# Altium PCB UmTRXv2.PcbDoc (part 5 of 25) (continued)
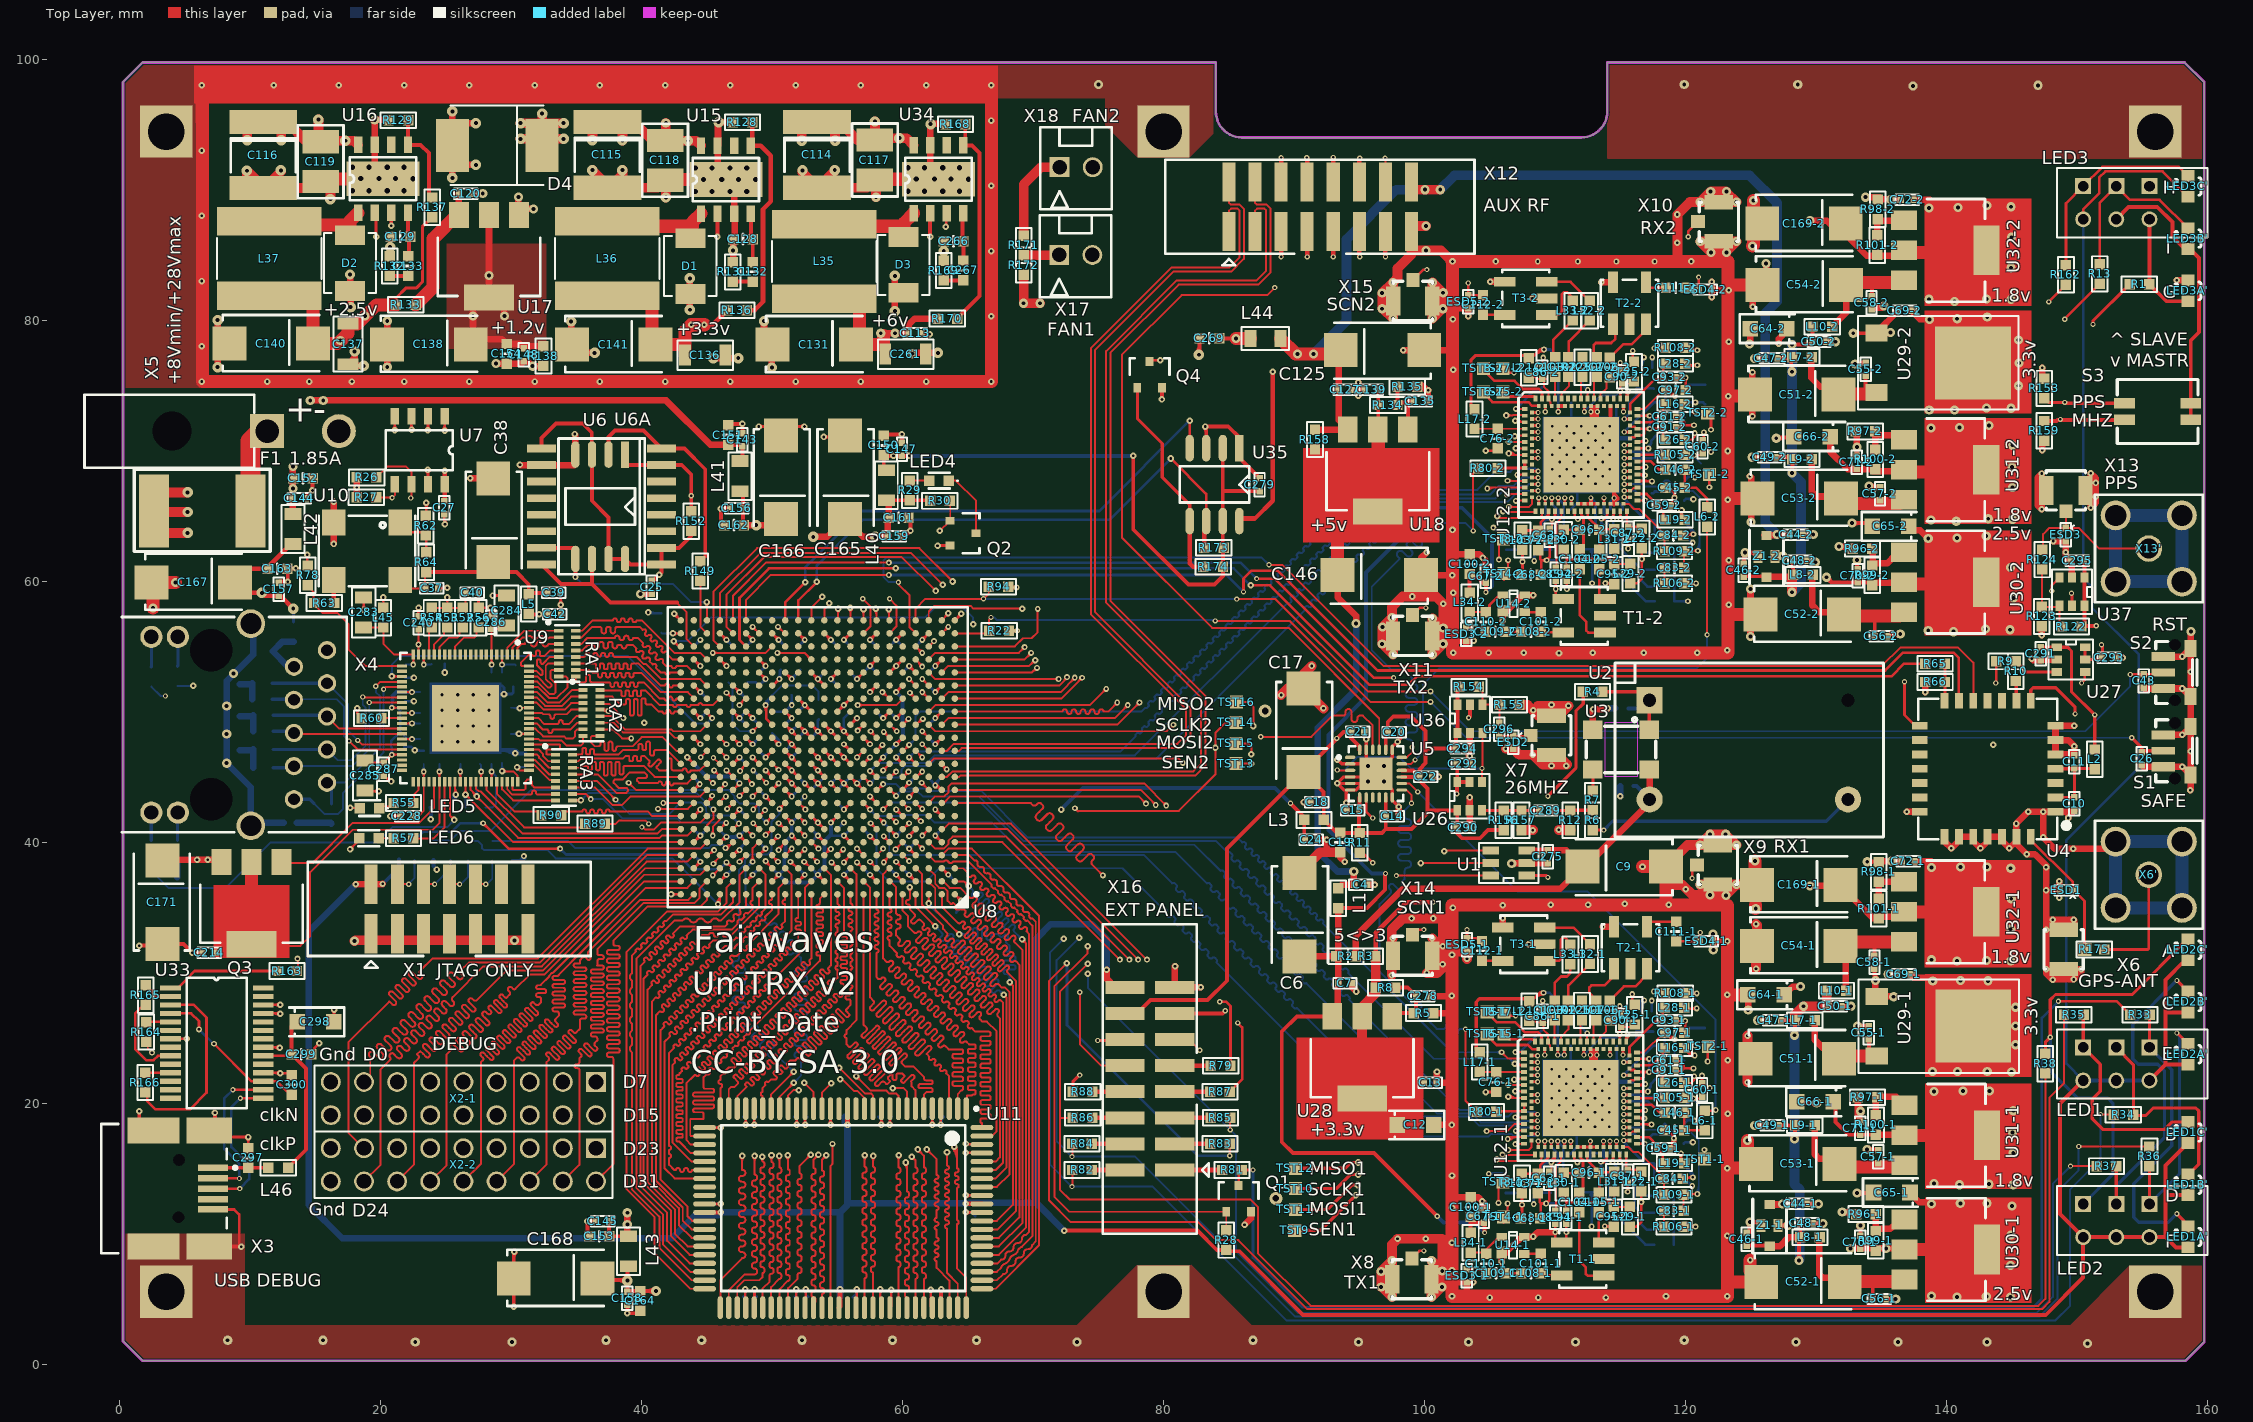
[diagram p0: Top Layer view]
## Nets (pads, with @x,y where several pads share a name; then routed paths per layer and width w, separated by ;. In a path a pad name is that pad's centre, name@x,y a point inside that pad or via, vN(x,y) a via of type N, cw(c..) or ccw(c..) an arc to the next point about the centre after c; other vN are vias at no path point) (continued)
  Top Layer w0.25: L17-1.1@104.225,23.9 103.95,24.175 103.95,27.75 104.2,28 107.825,28 L21-1.2@108.025,27.8 L21-1.2@108.125,27.8
  Top Layer w0.3: U29-1.2@140.7,26.95 U29-1.2@141.75,25.9
  Top Layer w0.5: C64-1.1@127.575,28.3 128.2,28.925 v3(128.8,28.925) ; C69-1.1@137.225,29.875 137.475,29.625 138.475,29.625
  Top Layer w1: U29-1.2@144.762,25.913 144.951,25.725
  Mid-Layer 2 w0.5: v1(120.566,16.988) 119.85,17.704 119.85,21.247 v2(120.661,22.058) 120.636,22.083 120.373,22.083 119.8,22.656 119.8,25 120.861,26.061 v2(120.861,27.258)
  Bottom Layer w0.15: L13-1.1@119.907,20.988 R95-1.2@119.907,22.088 120.731,22.088 v2@120.761,22.058 ; R95-1.2@120.227,22.088 cw(c120.227,21.624) v2@120.555,21.952 ; R95-1.2@120.227,22.088 cw(c120.227,21.624) v2@120.555,21.952 ; R95-1.2@120.227,22.088 cw(c120.227,21.624) v2@120.555,21.952 ; 120.371,22.088 ccw(c120.371,22.348) v2@120.555,22.164 ; 120.371,22.088 ccw(c120.371,22.348) v2@120.555,22.164 ; 120.371,22.088 ccw(c120.371,22.348) v2@120.555,22.164
  Bottom Layer w0.2: v2(109.111,28.458) 109.587,28.458 L23-1.2@110.207,27.838 ; L12-1.1@111.811,13.158 L27-1.2@112.911,13.158 L27-1.2@112.802,13.049 ; L27-1.2@112.711,12.958 L27-1.2@112.802,13.049 ; v2(112.802,10.545) L27-1.2@112.802,13.049 ; L24-1.1@119.857,16.888 119.978,17.01 120.545,17.01 v1(120.566,16.988) ; v2@109.199,28.37 cw(c109.413,28.156) 109.413,28.458 ; v2@109.199,28.37 cw(c109.413,28.156) 109.413,28.458 ; v2@109.199,28.37 cw(c109.413,28.156) 109.413,28.458 ; v2@109.199,28.547 ccw(c109.413,28.76) 109.413,28.458 ; v2@109.199,28.547 ccw(c109.413,28.76) 109.413,28.458 ; v2@109.199,28.547 ccw(c109.413,28.76) 109.413,28.458 ; v2@112.714,10.633 ccw(c112.501,10.847) 112.802,10.847 ; v2@112.714,10.633 ccw(c112.501,10.847) 112.802,10.847 ; v2@112.714,10.633 ccw(c112.501,10.847) 112.802,10.847 ; 112.802,10.847 ccw(c113.104,10.847) v2@112.891,10.633 ; 112.802,10.847 ccw(c113.104,10.847) v2@112.891,10.633 ; 112.802,10.847 ccw(c113.104,10.847) v2@112.891,10.633 ; L24-1.1@120.152,17.01 cw(c120.152,16.574) v1@120.46,16.882 ; L24-1.1@120.152,17.01 cw(c120.152,16.574) v1@120.46,16.882 ; L24-1.1@120.152,17.01 cw(c120.152,16.574) v1@120.46,16.882 ; L24-1.1@120.256,17.01 ccw(c120.256,17.298) v1@120.46,17.094 ; L24-1.1@120.256,17.01 ccw(c120.256,17.298) v1@120.46,17.094 ; L24-1.1@120.256,17.01 ccw(c120.256,17.298) v1@120.46,17.094
  other v3: 144.98,22.39 138.921,22.414 140.848,22.411 143.117,22.411 145.275,24.475 145.275,25.9 145.275,27.35 138.943,29.354 143.169,29.374 141.067,29.395
+3,3VLMS-2: C64-2.1 C69-2.1 L12-2.1 L13-2.1 L17-2.1 L21-2.2 L22-2.1 L23-2.2 L24-2.1 L25-2.2 L26-2.1 L27-2.2 L28-2.1 L29-2.2 R95-2.2 U29-2.2 | length 56.7
  Top Layer w0.15: L26-2.1@119.946,70.88 119.976,70.85 120.5,70.85 120.7,71.05 ; v2@120.8,71.35 120.7,71.25 120.7,71.05 ; v2@120.61,71.23 cw(c120.475,71.05) 120.7,71.05 ; v2@120.61,71.23 cw(c120.475,71.05) 120.7,71.05 ; v2@120.61,71.23 cw(c120.475,71.05) 120.7,71.05 ; 120.7,71.05 cw(c120.925,71.05) v2@120.79,71.23 ; 120.7,71.05 cw(c120.925,71.05) v2@120.79,71.23 ; 120.7,71.05 cw(c120.925,71.05) v2@120.79,71.23
  Top Layer w0.2: L21-2.2@108.2,77.1 108.85,77.75 ; 108.78,77.551 cw(c109.011,77.32) v2@109.112,77.631 ; v2(109.15,77.75) 108.85,77.75 ; L29-2.2@115.646,59.83 116.28,59.83 116.646,60.196 v2@116.646,61.704 ; L25-2.2@115.946,76.78 115.946,77.646 v2(115.95,77.65) ; L22-2.1@116.646,62.53 v2@116.646,61.704 ; v2(116.65,61.7) v2@116.646,61.704 ; L28-2.1@119.946,76.53 120.88,76.53 v2(120.9,76.55) ; U29-2.2@140.735,77.7 U29-2.2@141.7,76.735 ; 108.424,77.324 cw(c109.15,76.599) v2@109.15,77.625 ; 108.424,77.324 cw(c109.15,76.599) v2@109.15,77.625 ; 108.424,77.324 cw(c109.15,76.599) v2@109.15,77.625 ; 108.608,77.48 ccw(c108.423,78.17) v2@109.042,77.812 ; 108.608,77.48 ccw(c108.423,78.17) v2@109.042,77.812 ; 108.608,77.48 ccw(c108.423,78.17) v2@109.042,77.812 ; 108.766,77.666 cw(c109.15,77.282) v2@109.15,77.825 ; 108.766,77.666 cw(c109.15,77.282) v2@109.15,77.825 ; 108.766,77.666 cw(c109.15,77.282) v2@109.15,77.825 ; 108.85,77.75 cw(c108.85,77.453) v2@109.061,77.662 ; 108.85,77.75 ccw(c108.85,78.047) v2@109.061,77.838 ; 108.85,77.75 ccw(c108.85,78.047) v2@109.061,77.838 ; 108.85,77.75 cw(c108.85,77.453) v2@109.061,77.662 ; 108.85,77.75 ccw(c108.85,78.047) v2@109.061,77.838 ; 108.85,77.75 cw(c108.85,77.453) v2@109.061,77.662 ; v2@115.862,77.562 cw(c115.658,77.358) 115.946,77.358 ; v2@115.862,77.562 cw(c115.658,77.358) 115.946,77.358 ; v2@115.862,77.562 cw(c115.658,77.358) 115.946,77.358 ; 115.946,77.338 cw(c116.262,77.338) v2@116.038,77.562 ; 115.946,77.338 cw(c116.262,77.338) v2@116.038,77.562 ; 115.946,77.338 cw(c116.262,77.338) v2@116.038,77.562 ; v2@116.562,61.612 cw(c116.358,61.408) 116.646,61.408 ; v2@116.562,61.612 cw(c116.358,61.408) 116.646,61.408 ; v2@116.562,61.612 cw(c116.358,61.408) 116.646,61.408 ; v2@116.562,61.788 ccw(c116.358,61.992) 116.646,61.992 ; v2@116.562,61.788 ccw(c116.358,61.992) 116.646,61.992 ; v2@116.562,61.788 ccw(c116.358,61.992) 116.646,61.992 ; 116.646,61.388 cw(c116.962,61.388) v2@116.738,61.612 ; 116.646,61.388 cw(c116.962,61.388) v2@116.738,61.612 ; 116.646,61.388 cw(c116.962,61.388) v2@116.738,61.612 ; 116.646,62.012 ccw(c116.962,62.012) v2@116.738,61.788 ; 116.646,62.012 ccw(c116.962,62.012) v2@116.738,61.788 ; 116.646,62.012 ccw(c116.962,62.012) v2@116.738,61.788 ; 120.55,76.53 ccw(c120.55,76.9) v2@120.812,76.638 ; 120.55,76.53 ccw(c120.55,76.9) v2@120.812,76.638 ; 120.55,76.53 ccw(c120.55,76.9) v2@120.812,76.638 ; 120.647,76.53 cw(c120.647,76.297) v2@120.812,76.462 ; 120.647,76.53 cw(c120.647,76.297) v2@120.812,76.462 ; 120.647,76.53 cw(c120.647,76.297) v2@120.812,76.462
  Top Layer w0.25: L17-2.1@103.825,73.175 103.55,73.45 103.55,76.925 103.925,77.3 107.775,77.3 L21-2.2@107.975,77.1
  Top Layer w0.5: v1(127.15,78.2) 127.15,78.575 127.75,79.175 C64-2.1@127.75,79.35 ; C69-2.1@137.3,80.725 137.958,80.067 v3(138.693,80.067)
  Top Layer w1: U29-2.2@143.04,76.776 144.712,76.776 U29-2.2@144.901,76.588
  Mid-Layer 2 w0.5: v1(120.605,66.28) 119.85,67.035 119.85,70.5 v2(120.7,71.35)
  Bottom Layer w0.15: L13-2.1@119.946,70.28 R95-2.2@119.946,71.38 120.77,71.38 v2@120.8,71.35 ; R95-2.2@120.266,71.38 cw(c120.266,70.916) v2@120.594,71.244 ; R95-2.2@120.266,71.38 cw(c120.266,70.916) v2@120.594,71.244 ; R95-2.2@120.266,71.38 cw(c120.266,70.916) v2@120.594,71.244 ; 120.41,71.38 ccw(c120.41,71.64) v2@120.594,71.456 ; 120.41,71.38 ccw(c120.41,71.64) v2@120.594,71.456 ; 120.41,71.38 ccw(c120.41,71.64) v2@120.594,71.456
  Bottom Layer w0.2: v2(109.15,77.75) 109.626,77.75 L23-2.2@110.246,77.13 ; L12-2.1@111.85,62.45 L27-2.2@112.95,62.45 L27-2.2@112.841,62.341 ; L27-2.2@112.75,62.25 L27-2.2@112.841,62.341 ; v2(112.841,59.837) L27-2.2@112.841,62.341 ; L24-2.1@119.896,66.18 120.017,66.301 120.584,66.301 v1(120.605,66.28) ; v2@109.238,77.662 cw(c109.452,77.448) 109.452,77.75 ; v2@109.238,77.662 cw(c109.452,77.448) 109.452,77.75 ; v2@109.238,77.662 cw(c109.452,77.448) 109.452,77.75 ; v2@109.238,77.838 ccw(c109.452,78.052) 109.452,77.75 ; v2@109.238,77.838 ccw(c109.452,78.052) 109.452,77.75 ; v2@109.238,77.838 ccw(c109.452,78.052) 109.452,77.75 ; v2@112.753,59.925 ccw(c112.539,60.139) 112.841,60.139 ; v2@112.753,59.925 ccw(c112.539,60.139) 112.841,60.139 ; v2@112.753,59.925 ccw(c112.539,60.139) 112.841,60.139 ; 112.841,60.139 ccw(c113.143,60.139) v2@112.93,59.925 ; 112.841,60.139 ccw(c113.143,60.139) v2@112.93,59.925 ; 112.841,60.139 ccw(c113.143,60.139) v2@112.93,59.925 ; L24-2.1@120.191,66.301 cw(c120.191,65.865) v1@120.499,66.174 ; L24-2.1@120.191,66.301 cw(c120.191,65.865) v1@120.499,66.174 ; L24-2.1@120.191,66.301 cw(c120.191,65.865) v1@120.499,66.174 ; L24-2.1@120.295,66.301 ccw(c120.295,66.59) v1@120.499,66.386 ; L24-2.1@120.295,66.301 ccw(c120.295,66.59) v1@120.499,66.386 ; L24-2.1@120.295,66.301 ccw(c120.295,66.59) v1@120.499,66.386
  other v3: 138.671,73.127 140.598,73.124 144.93,73.253 143.067,73.274 145.525,74.975 145.55,76.725 145.525,78.475 140.817,80.108 143.119,80.237
+5V: C6.1 C7.1 C67-1.2 C67-2.2 C100-1.2 C100-2.2 L1.2 L34-1.1 L34-2.1 R2.1 U28.3 | length 98.5
  Top Layer w0.3: U28.3@92.907,26.654 90.229,26.654 89.05,25.475 89.05,17.025 89.9,16.175 96.125,16.175 v4(100.975,11.325) ; L1.2@93.375,34.95 95.575,34.95 96.975,36.35 96.975,37.575 v4(97,37.6) ; L34-2.1@103.45,59.225 C100-2.2@103.45,60.55 103.725,60.275 104.075,60.275 104.475,59.875 C67-2.2@104.7,59.875 v4(104.7,59.15) ; L34-1.1@103.525,10.05 103.525,10.85 ; C100-1.2@103.525,11.275 103.525,10.85 ; v4(104.6,10.075) 104.6,10.775 C67-1.2@104.55,10.825 103.55,10.825 103.525,10.85
  Top Layer w0.5: C6.1@90.4,31.25 93.325,31.25 R2.1@93.375,31.2 ; U28.3@92.907,26.654 93.357,27.104 93.357,28.754 93.375,28.772 R2.1@93.375,31.2 ; L1.2@93.375,34.95 93.375,31.825 R2.1@93.375,31.2
  Bottom Layer w0.3: v4(97,37.6) 95.95,37.6 92.625,40.925 92.625,48.225 95.525,51.125 95.525,60.65 100.5,65.625 102.875,65.625 105.175,63.325 105.175,59.625 v4(104.7,59.15) ; v4(100.975,11.325) 101.45,10.85 103.825,10.85 v4(104.6,10.075)
+6V: C44-1.1 C44-2.1 C125.1 C127.1 L44.2 R158.1 U18.3 X12.16 Z1-1.1 Z1-2.1 | length 154.1
  Top Layer w0.3: v3(127.015,63.567) 127.931,63.567 C44-2.1@127.94,63.576 ; v3(127.415,12.272) 128.331,12.272 C44-1.1@128.34,12.281 ; v3@127.157,63.426 cw(c127.498,63.084) 127.498,63.567 ; v3@127.157,63.426 cw(c127.498,63.084) 127.498,63.567 ; v3@127.157,63.426 cw(c127.498,63.084) 127.498,63.567 ; v3@127.157,63.708 ccw(c127.498,64.05) 127.498,63.567 ; v3@127.157,63.708 ccw(c127.498,64.05) 127.498,63.567 ; v3@127.157,63.708 ccw(c127.498,64.05) 127.498,63.567 ; v3@127.557,12.13 cw(c127.898,11.789) 127.898,12.272 ; v3@127.557,12.13 cw(c127.898,11.789) 127.898,12.272 ; v3@127.557,12.13 cw(c127.898,11.789) 127.898,12.272 ; v3@127.557,12.413 ccw(c127.898,12.754) 127.898,12.272 ; v3@127.557,12.413 ccw(c127.898,12.754) 127.898,12.272 ; v3@127.557,12.413 ccw(c127.898,12.754) 127.898,12.272
  Top Layer w0.5: R158.1@91.6,71.6 94.1,71.6 U18.3@94.125,71.625 93.425,72.325 C127.1@93.425,74.675 93.425,77.425 93.425,77.55 C125.1@93.575,77.7 ; Z1-2.1@126.04,63.526 126.975,63.526 v3(127.015,63.567) ; Z1-1.1@126.44,12.231 127.375,12.231 v3(127.415,12.272)
  Top Layer w0.75: X12.16@99,90 v3(100.025,90) v3(101.2,90)
  Top Layer w1: L44.2@88.95,78.6 90.125,77.425 93.425,77.425 C125.1@93.55,77.425
  MidLayer1 w0.75: v3(127.015,63.567) 126.25,62.802 126.25,59.225 127.05,58.425 127.05,12.979 ; v3(127.415,12.272) 127.05,12.637 ; 127.05,12.637 ccw(c127.441,12.637) v3@127.414,12.247 ; 127.05,12.637 ccw(c127.441,12.637) v3@127.414,12.247 ; 127.05,12.637 ccw(c127.441,12.637) v3@127.414,12.247 ; 127.05,13.093 ccw(c128.237,13.093) v3@127.398,12.254 ; 127.05,13.093 ccw(c128.237,13.093) v3@127.398,12.254 ; 127.05,13.093 ccw(c128.237,13.093) v3@127.398,12.254
  Bottom Layer w0.75: v3(90.25,77.4) v3(91.5,77.4) 94.025,79.925 94.025,86.2 97.825,90 v3(100.025,90) v3(101.2,90) 102.3,91.1 124.9,91.1 127,89 127,81.425 126.1,80.525 126.1,64.483 v3(127.015,63.567)
+6V1: C113.1 C131.1 C261.1 C269.1 L35.2 L44.1 R170.1 R172.1 | length 52
  Top Layer w0.3: C269.1@84.25,78.6 v3(85.55,78.6) ; 85.067,78.6 cw(c85.067,78.117) v3@85.409,78.459 ; 85.067,78.6 ccw(c85.067,79.083) v3@85.409,78.741 ; 85.067,78.6 ccw(c85.067,79.083) v3@85.409,78.741 ; 85.067,78.6 cw(c85.067,78.117) v3@85.409,78.459 ; 85.067,78.6 ccw(c85.067,79.083) v3@85.409,78.741 ; 85.067,78.6 cw(c85.067,78.117) v3@85.409,78.459
  Top Layer w0.5: v3@59.425,78.896 59.321,79 58.7,79 v3(59.425,79) C113.1@60.475,79 60.475,79.675 60.925,80.125 R170.1@62.675,80.125
  Top Layer w0.75: R172.1@69.275,83.475 v3(69.275,81.3) v3(70.525,81.3)
  Top Layer w1: L35.2@54,81.65 54.25,81.4 56.7,81.4 56.7,78.4 C131.1@56.425,78.125 58.525,78.125 v3@58.525,78.825 ; v3(85.55,78.6) L44.1@86.65,78.6
  Mid-Layer 2 w1: v3(58.325,79) v3(59.425,79) 61.725,81.3 v3(70.525,81.3) 82.85,81.3 v3(85.55,78.6)
+12V: C114.1 C115.1 C116.1 C117.1 C118.1 C119.1 D4.2 F1.2 R171.1 U15.8 U16.8 U34.8 X18.1 | length 77
  Top Layer w0.75: F1.2@2.6,63.7 v5(5.2,63.7) ; F1.2@2.625,65.375 2.7,65.3 v5(5.2,65.3) ; F1.2@2.7,66.8 v5(5.2,66.8) ; v5(9.775,93.8) C116.1@9.775,95.075 ; C116.1@11.075,95.175 C116.1@12.375,95.175 ; v5(12.375,93.8) C116.1@12.375,95.175 ; C116.1@12.375,95.75 C116.1@12.375,95.175 ; v5(15.225,95.375) 15.225,93.849 C119.1@15.4,93.674 ; U16.8@18.278,93.439 17.967,93.75 v5(17.3,93.75) 15.476,93.75 C119.1@15.4,93.674 ; v5(30.725,93.9) D4.2@32.375,93.9 ; v5(30.725,95.1) D4.2@32.375,95.1 ; D4.2@32.354,93.4 32.375,93.421 D4.2@32.375,93.9 ; v5(32.375,95.825) D4.2@32.375,95.1 ; v5(34.025,93.9) D4.2@32.375,93.9 ; v5(34.025,95.1) D4.2@32.375,95.1 ; v5(36.225,93.8) C115.1@36.225,95.175 ; C115.1@37.525,95.2 39.4,95.2 40.826,93.774 C118.1@41.8,93.774 ; v5(38.525,93.775) C115.1@38.525,94.6 ; v3(41.85,95.125) 41.85,93.824 C118.1@41.8,93.774 ; U15.8@44.545,93.38 44.175,93.75 v5(43.55,93.75) 41.824,93.75 C118.1@41.8,93.774 ; v5(52.275,93.75) C114.1@52.275,94.9 ; C114.1@53.5,95.2 C114.1@54.825,95.2 ; v5(54.825,93.75) C114.1@54.825,95.2 ; C114.1@54.825,95.5 C114.1@54.825,95.2 ; v5(57.875,95.225) C117.1@57.875,93.799 ; U34.8@60.845,93.405 60.3,93.95 v5(59.75,93.95) 58.026,93.95 C117.1@57.875,93.799 ; R171.1@69.275,86.475 69.275,90.4 70.6,91.725 X18.1@72.025,91.725 ; C116.1@12.375,95.175 12.825,95.175 14.326,93.674 C119.1@15.4,93.674 ; D4.2@32.375,93.9 D4.2@32.375,95.1 ; C114.1@54.825,95.2 55.125,95.2 56.526,93.799 C117.1@57.875,93.799
  Mid-Layer 2 w0.75: v5(57.875,95.225) 59.15,93.95 v5(59.75,93.95) 70.715,93.95 72.025,92.64 X18.1@72.025,91.725
  Bottom Layer w0.75: X18.1@72.025,91.725 X18.1@72.04,91.71
ACT_LED: R43.2 R46.1 U9.50 | length 36
  Top Layer w0.15: U9.50@25.3,44.625 25.3,42.05 v1(25.65,41.7) ; 25.351,41.999 cw(c25.053,41.7) v1@25.475,41.7 ; 25.351,41.999 ccw(c25.65,42.297) v1@25.65,41.875 ; 25.351,41.999 ccw(c25.65,42.297) v1@25.65,41.875 ; 25.351,41.999 cw(c25.053,41.7) v1@25.475,41.7 ; 25.351,41.999 ccw(c25.65,42.297) v1@25.65,41.875 ; 25.351,41.999 cw(c25.053,41.7) v1@25.475,41.7 ; 25.39,41.945 cw(c25.306,41.63) v1@25.626,41.695 ; 25.39,41.945 cw(c25.306,41.63) v1@25.626,41.695 ; 25.39,41.945 cw(c25.306,41.63) v1@25.626,41.695 ; 25.405,41.96 ccw(c25.72,42.044) v1@25.655,41.724 ; 25.405,41.96 ccw(c25.72,42.044) v1@25.655,41.724 ; 25.405,41.96 ccw(c25.72,42.044) v1@25.655,41.724
  Bottom Layer w0.15: R43.2@2.425,38.625 2.425,37.825 R46.1@2.925,37.325 3.775,36.475 8.072,36.475 11.575,39.978 19.728,39.978 20.9,41.15 25.1,41.15 v1(25.65,41.7) ; 25.351,41.401 cw(c25.65,41.103) v1@25.65,41.525 ; 25.351,41.401 ccw(c25.053,41.7) v1@25.475,41.7 ; 25.351,41.401 ccw(c25.053,41.7) v1@25.475,41.7 ; 25.351,41.401 cw(c25.65,41.103) v1@25.65,41.525 ; 25.351,41.401 ccw(c25.053,41.7) v1@25.475,41.7 ; 25.351,41.401 cw(c25.65,41.103) v1@25.65,41.525
AUX_LD1: U8.AB6 X12.11 | length 63.5
  Top Layer w0.15: v1(58.95,57.85) 58.95,57.05 U8.AB6@59,57 ; v1@58.826,57.726 cw(c58.528,57.428) 58.95,57.428 ; v1@58.826,57.726 cw(c58.528,57.428) 58.95,57.428 ; v1@58.826,57.726 cw(c58.528,57.428) 58.95,57.428 ; 58.95,57.428 cw(c59.372,57.428) v1@59.074,57.726 ; 58.95,57.428 cw(c59.372,57.428) v1@59.074,57.726 ; 58.95,57.428 cw(c59.372,57.428) v1@59.074,57.726
  Top Layer w0.35: X12.11@95,86.2 95,84.875 v4(95.025,84.85)
  MidLayer1 w0.15: v1(58.95,57.85) 56.55,60.25 56.55,69.125 59.525,72.1 72.2,72.1 83.25,83.15 93.325,83.15 v4(95.025,84.85) ; 58.651,58.149 cw(c58.353,57.85) v1@58.775,57.85 ; 58.651,58.149 ccw(c58.95,58.447) v1@58.95,58.025 ; 58.651,58.149 ccw(c58.95,58.447) v1@58.95,58.025 ; 58.651,58.149 cw(c58.353,57.85) v1@58.775,57.85 ; 58.651,58.149 ccw(c58.95,58.447) v1@58.95,58.025 ; 58.651,58.149 cw(c58.353,57.85) v1@58.775,57.85
AUX_LD2: U8.AB9 X12.12 | length 68.7
  Top Layer w0.15: U8.AB9@56,57 v1(56,57.95) ; v1@55.876,57.826 cw(c55.578,57.528) 56,57.528 ; v1@55.876,57.826 cw(c55.578,57.528) 56,57.528 ; v1@55.876,57.826 cw(c55.578,57.528) 56,57.528 ; 56,57.528 cw(c56.422,57.528) v1@56.124,57.826 ; 56,57.528 cw(c56.422,57.528) v1@56.124,57.826 ; 56,57.528 cw(c56.422,57.528) v1@56.124,57.826
  Top Layer w0.35: X12.12@95,90 X12.12@95,90.6 95,92.4 v4(95.025,92.425)
  MidLayer1 w0.15: v1(56,57.95) 55.3,58.65 55.3,70 58.775,73.475 70.1,73.475 85.1,88.475 91.075,88.475 v4(95.025,92.425) ; 55.701,58.249 cw(c55.403,57.95) v1@55.825,57.95 ; 55.701,58.249 ccw(c56,58.547) v1@56,58.125 ; 55.701,58.249 ccw(c56,58.547) v1@56,58.125 ; 55.701,58.249 cw(c55.403,57.95) v1@55.825,57.95 ; 55.701,58.249 ccw(c56,58.547) v1@56,58.125 ; 55.701,58.249 cw(c55.403,57.95) v1@55.825,57.95
AUX_SCLK: U8.AB12 X12.6 | length 60.3
  Top Layer w0.15: U8.AB12@53,57 53,57.95 v1(53.85,58.8)
  Top Layer w0.35: X12.6@89,90 X12.6@89,90.6 v4(89,92.45)
  MidLayer1 w0.15: v1(53.85,58.8) 54.175,59.125 54.175,70.25 58.625,74.7 68.95,74.7 85.225,90.975 87.725,90.975 89,92.25 v4(89,92.45)
AUX_SDAT: U8.AB8 X12.5 | length 58.3
  Top Layer w0.15: U8.AB8@57,57 v1(57,57.85) ; v1@56.876,57.726 cw(c56.578,57.428) 57,57.428 ; v1@56.876,57.726 cw(c56.578,57.428) 57,57.428 ; v1@56.876,57.726 cw(c56.578,57.428) 57,57.428 ; 57,57.428 cw(c57.422,57.428) v1@57.124,57.726 ; 57,57.428 cw(c57.422,57.428) v1@57.124,57.726 ; 57,57.428 cw(c57.422,57.428) v1@57.124,57.726
  Top Layer w0.35: v4(89,84.85) X12.5@89,86.2
  MidLayer1 w0.15: v1(57,57.85) 55.625,59.225 55.625,69.85 58.9,73.125 70.625,73.125 82.35,84.85 v4@88.95,84.85 ; 56.701,58.149 cw(c56.403,57.85) v1@56.825,57.85 ; 56.701,58.149 ccw(c57,58.447) v1@57,58.025 ; 56.701,58.149 ccw(c57,58.447) v1@57,58.025 ; 56.701,58.149 cw(c56.403,57.85) v1@56.825,57.85 ; 56.701,58.149 ccw(c57,58.447) v1@57,58.025 ; 56.701,58.149 cw(c56.403,57.85) v1@56.825,57.85
AUX_SEN1: U8.AA8 X12.7 | length 57.2
  Top Layer w0.15: v4(56.95,58.65) 57.525,58.075 57.525,56.525 U8.AA8@57,56
  Top Layer w0.35: v4(91,84.85) X12.7@91,86.2
  MidLayer1 w0.15: v4(56.95,58.65) 55.95,59.65 55.95,69.625 59.075,72.75 71.1,72.75 82.575,84.225 90.375,84.225 v4(91,84.85)
AUX_SEN2: U8.AB11 X12.8 | length 61.5
  Top Layer w0.15: U8.AB11@54,57.05 54,57.85 54.375,58.225 v1(54.375,58.3)
  Top Layer w0.35: v4(90.975,92.45) 91,92.425 X12.8@91,90.6 X12.8@91,90
  MidLayer1 w0.15: v1(54.375,58.3) 54.65,58.575 54.65,70.275 58.625,74.25 69.375,74.25 85.15,90.025 88.55,90.025 v4(90.975,92.45)
AUX_SEN3: U8.AB7 X12.9 | length 59.6
  Top Layer w0.15: v1(57.95,57.9) 58,57.85 U8.AB7@58,57 ; v1@57.826,57.776 cw(c57.407,57.357) 58,57.357 ; v1@57.826,57.776 cw(c57.407,57.357) 58,57.357 ; v1@57.826,57.776 cw(c57.407,57.357) 58,57.357 ; 58,57.598 cw(c58.252,57.598) v1@58.074,57.776 ; 58,57.598 cw(c58.252,57.598) v1@58.074,57.776 ; 58,57.598 cw(c58.252,57.598) v1@58.074,57.776
  Top Layer w0.35: v4(93,84.85) X12.9@93,86.2
  MidLayer1 w0.15: v1(57.95,57.9) 57.95,58.35 56.25,60.05 56.25,69.4 59.25,72.4 71.525,72.4 82.825,83.7 91.85,83.7 v4(93,84.85)
AUX_SEN4: U8.AB10 X12.10 | length 64.6
  Top Layer w0.15: U8.AB10@55,57 55.05,57.05 v1(55.05,57.9) ; v1@54.926,57.776 cw(c54.628,57.478) 55.05,57.478 ; v1@54.926,57.776 cw(c54.628,57.478) 55.05,57.478 ; v1@54.926,57.776 cw(c54.628,57.478) 55.05,57.478 ; 55.05,57.478 cw(c55.472,57.478) v1@55.174,57.776 ; 55.05,57.478 cw(c55.472,57.478) v1@55.174,57.776 ; 55.05,57.478 cw(c55.472,57.478) v1@55.174,57.776
  Top Layer w0.35: X12.10@93,90 X12.10@93,90.6 93,92.25 93.025,92.275
  MidLayer1 w0.15: v1@55,57.9 55,70.125 58.675,73.8 69.725,73.8 85.175,89.25 90,89.25 93.025,92.275
  other v4: 93,92.475
AUX_XX: U8.AA6 X12.13 | length 62.5
  Top Layer w0.15: U8.AA6@59,56 59.525,56.525 59.525,58.125 v4(59,58.65)
  Top Layer w0.35: v4(97,84.85) X12.13@97,86.2
  MidLayer1 w0.15: v4(59,58.65) 58.625,58.65 56.85,60.425 56.85,68.825 59.775,71.75 72.825,71.75 83.1,82.025 94.15,82.025 96.975,84.85 v4(97,84.85)
CLK_AUX: U5.21 X12.14 | length 74.5
  Top Layer w0.15: v4(88.525,82.5) 87.95,81.925 81.375,81.925 76.8,77.35 76.8,63.346 83.721,56.425 89.575,56.425 96.525,49.475 U5.21@96.525,47.075 ; v4(96.975,92.425) 97,92.4 X12.14@97,90.6 ; X12.14@97,89.625 X12.14@97,90
  MidLayer1 w0.15: v4(88.525,82.5) 93.825,82.5 96.975,85.65 v4(96.975,92.425)
CLK_FPGA: U5.22 U8.M3 | length 39.9
  Top Layer w0.15: v4(61.5,47.5) U8.M3@62,47 ; v4(87.45,48.075) 91.316,48.075 92.941,49.7 93.775,49.7 ccw(c93.775,49.863) 93.938,49.863 93.938,49.973 cw(c94.165,49.973) 94.165,50.2 cw(c94.165,49.973) 94.393,49.973 94.393,49.427 ccw(c94.62,49.427) 94.62,49.2 ccw(c94.62,49.427) 94.848,49.427 94.848,49.473 cw(c95.075,49.473) 95.075,49.7 95.275,49.7 96.025,48.95 U5.22@96.025,47.075
  MidLayer1 w0.15: v4(61.5,47.5) 61.775,47.5 62.175,47.9 63.875,47.9 64.075,47.7 87.075,47.7 v4(87.45,48.075)
CLK_PLL1: L6-1.1 U5.14 | length 39.9
  Top Layer w0.15: U5.14@98.25,44.5 98.825,44.5 v4(99.475,43.85)
  Top Layer w0.2: L6-1.1@121.461,19.408 122.233,19.408 v2(122.3,19.475)
  Bottom Layer w0.15: v4(99.475,43.85) 101.947,41.378 ccw(c102.113,41.544) 102.279,41.378 cw(c102.466,41.19) 102.654,41.378 cw(c102.466,41.19) 102.654,41.003 ccw(c102.82,40.837) 102.654,40.671 107.1,36.225 112.46,36.225 122.3,26.385 v2(122.3,19.475)
CLK_PLL2: L6-2.1 U5.17 | length 40
  Top Layer w0.15: U5.17@98.25,46 98.975,46 v4(99.275,46.3) ; L6-2.1@121.65,64.175 v4(121.65,55.9) v4@121.725,55.825
  Bottom Layer w0.15: v4(99.275,46.3) 99.875,46.9 99.875,52.075 101.1,53.3 120.825,53.3 121.65,54.125 v4(121.65,55.9)
CLK_TO_MAC: R89.2 U8.K20 | length 10.5
  Top Layer w0.15: R89.2@37.163,41.4 38.01,41.4 38.285,41.675 40.275,41.675 v4(40.55,41.4) ; U8.K20@45,45 45,44.98 v2(45.453,44.527)
  Mid-Layer 2 w0.15: v4(40.55,41.4) 42.1,41.4 45.227,44.527 v2(45.453,44.527)
CLK_TRX1: R80-1.1 U5.13 | length 39.8
  Top Layer w0.15: U5.13@98.25,44 98.6,44 99,43.6 v4(99,42.975) ; v4(103.125,25.675) 103.125,20.2 R80-1.1@104,19.325
  Bottom Layer w0.15: v4(99,42.975) 98.475,42.45 98.475,41.994 ccw(c98.709,41.994) 98.709,41.76 cw(c98.709,41.494) 98.975,41.494 cw(c98.709,41.494) 98.709,41.229 98.241,41.229 ccw(c98.241,40.963) 97.975,40.963 ccw(c98.241,40.963) 98.241,40.698 98.709,40.698 cw(c98.709,40.432) 98.975,40.432 cw(c98.709,40.432) 98.709,40.167 98.241,40.167 ccw(c98.241,39.901) 97.975,39.901 ccw(c98.241,39.901) 98.241,39.636 98.709,39.636 cw(c98.709,39.37) 98.975,39.37 cw(c98.709,39.37) 98.709,39.105 98.241,39.105 ccw(c98.241,38.839) 97.975,38.839 ccw(c98.241,38.839) 98.241,38.574 98.709,38.574 cw(c98.709,38.308) 98.975,38.308 cw(c98.709,38.308) 98.709,38.043 ccw(c98.709,37.808) 98.475,37.808 98.475,37.175 98.325,37.025 ccw(c98.486,36.864) 98.325,36.703 98.357,36.671 cw(c98.196,36.511) 98.357,36.35 cw(c98.196,36.511) 98.035,36.35 97.65,36.735 ccw(c97.489,36.575) 97.328,36.735 ccw(c97.489,36.575) 97.328,36.414 97.36,36.382 cw(c97.199,36.221) 97.36,36.06 96.55,35.25 96.55,30.073 99.042,27.581 ccw(c99.203,27.742) 99.364,27.581 99.396,27.613 cw(c99.556,27.452) 99.717,27.613 cw(c99.556,27.452) 99.717,27.291 99.685,27.259 ccw(c99.846,27.098) 99.685,26.938 ccw(c99.846,27.098) 100.007,26.938 100.039,26.97 cw(c100.2,26.809) 100.36,26.97 cw(c100.2,26.809) 100.36,26.648 100.328,26.616 ccw(c100.489,26.455) 100.328,26.294 100.787,25.836 100.863,25.759 100.948,25.675 101.411,25.675 ccw(c101.411,25.902) 101.638,25.902 101.638,25.948 cw(c101.865,25.948) 101.865,26.175 cw(c101.865,25.948) 102.093,25.948 102.093,25.402 ccw(c102.32,25.402) 102.32,25.175 ccw(c102.32,25.402) 102.548,25.402 102.548,25.448 cw(c102.775,25.448) 102.775,25.675 v4(103.125,25.675)
CLK_TRX2: R80-2.1 U5.18 | length 39.9
  Top Layer w0.15: U5.18@98.25,46.5 98.65,46.5 99.05,46.9 v4(99.05,47.275) ; v4(103.725,63.85) 103.725,68.275 R80-2.1@104.1,68.65
  Bottom Layer w0.15: v4(99.05,47.275) 99.05,47.631 ccw(c98.816,47.631) 98.816,47.865 cw(c98.816,48.131) 98.55,48.131 cw(c98.816,48.131) 98.816,48.396 99.185,48.396 ccw(c99.185,48.662) 99.45,48.662 ccw(c99.185,48.662) 99.185,48.927 98.816,48.927 cw(c98.816,49.193) 98.55,49.193 cw(c98.816,49.193) 98.816,49.458 99.185,49.458 ccw(c99.185,49.724) 99.45,49.724 ccw(c99.185,49.724) 99.185,49.989 98.816,49.989 cw(c98.816,50.255) 98.55,50.255 cw(c98.816,50.255) 98.816,50.52 99.185,50.52 ccw(c99.185,50.786) 99.45,50.786 ccw(c99.185,50.786) 99.185,51.051 98.816,51.051 cw(c98.816,51.317) 98.55,51.317 cw(c98.816,51.317) 98.816,51.582 99.185,51.582 ccw(c99.185,51.848) 99.45,51.848 ccw(c99.185,51.848) 99.185,52.113 cw(c99.185,52.248) 99.05,52.248 99.05,52.575 98.375,53.25 97.4,53.25 95.95,54.7 95.95,59.583 98.062,61.695 ccw(c98.028,61.729) 98.062,61.764 97.953,61.873 cw(c98.141,62.061) 97.953,62.249 cw(c98.141,62.061) 98.328,62.249 98.472,62.105 98.616,61.961 ccw(c98.804,62.149) 98.991,61.961 ccw(c98.804,62.149) 98.991,62.337 98.848,62.48 98.704,62.624 cw(c98.892,62.812) 98.704,63 cw(c98.892,62.812) 99.079,63 99.223,62.856 99.367,62.712 ccw(c99.555,62.9) 99.742,62.712 ccw(c99.555,62.9) 99.742,63.088 99.599,63.231 99.455,63.375 cw(c99.642,63.563) 99.455,63.751 cw(c99.642,63.563) 99.83,63.751 99.974,63.607 100.14,63.441 ccw(c100.328,63.629) 100.515,63.441 ccw(c100.328,63.629) 100.515,63.817 cw(c100.681,63.982) 100.515,64.148 100.842,64.475 103.1,64.475 v4(103.725,63.85)
DAC_CLK: U1.5 U8.AB19 | length 95.4
  Top Layer w0.15: U8.AB19@46,57 46,59.075 49.075,62.15 60.65,62.15 v1(63.075,59.725) ; v1(99.7,38.4) U1.5@105.065,38.4
  Mid-Layer 2 w0.15: v1(63.075,59.725) 63.525,59.275 64.875,59.275 65.15,59.55 66.975,59.55 67.75,58.775 67.75,42.35 75,35.1 77.825,35.1 81.475,31.45 81.475,27.6 84.05,25.025 86.325,25.025 v1(99.7,38.4)
DAC_DIN: U1.4 U8.AA18 | length 96.7
  Top Layer w0.15: U8.AA18@47,56 46.5,56.5 46.5,58.975 49.375,61.85 59.925,61.85 v1(62.525,59.25) ; v1(101.5,39.3) 101.551,39.351 U1.4@105.065,39.351
  Mid-Layer 2 w0.15: v1(62.525,59.25) 63,58.775 65.4,58.775 65.794,59.169 66.606,59.169 67.325,58.45 67.325,41.85 74.675,34.5 77.325,34.5 79.95,31.875 79.95,28.3 83.75,24.5 86.7,24.5 v1(101.5,39.3)
DAC_NSY: U1.6 U8.Y19 | length 97.8
  Top Layer w0.15: U8.Y19@45.994,54.994 45.5,55.488 45.5,59.175 48.85,62.525 61.275,62.525 v1(63.825,59.975) ; v4(97.838,37.437) 97.849,37.449 U1.6@105.065,37.449
  Mid-Layer 2 w0.15: v1(63.825,59.975) 67.325,59.975 68.175,59.125 68.175,42.75 75.325,35.6 78.575,35.6 82.2,31.975 82.2,27.5 84.175,25.525 85.925,25.525 v4(97.838,37.437)